# Allegro board meta_module_lay_rev1.brd (continued)
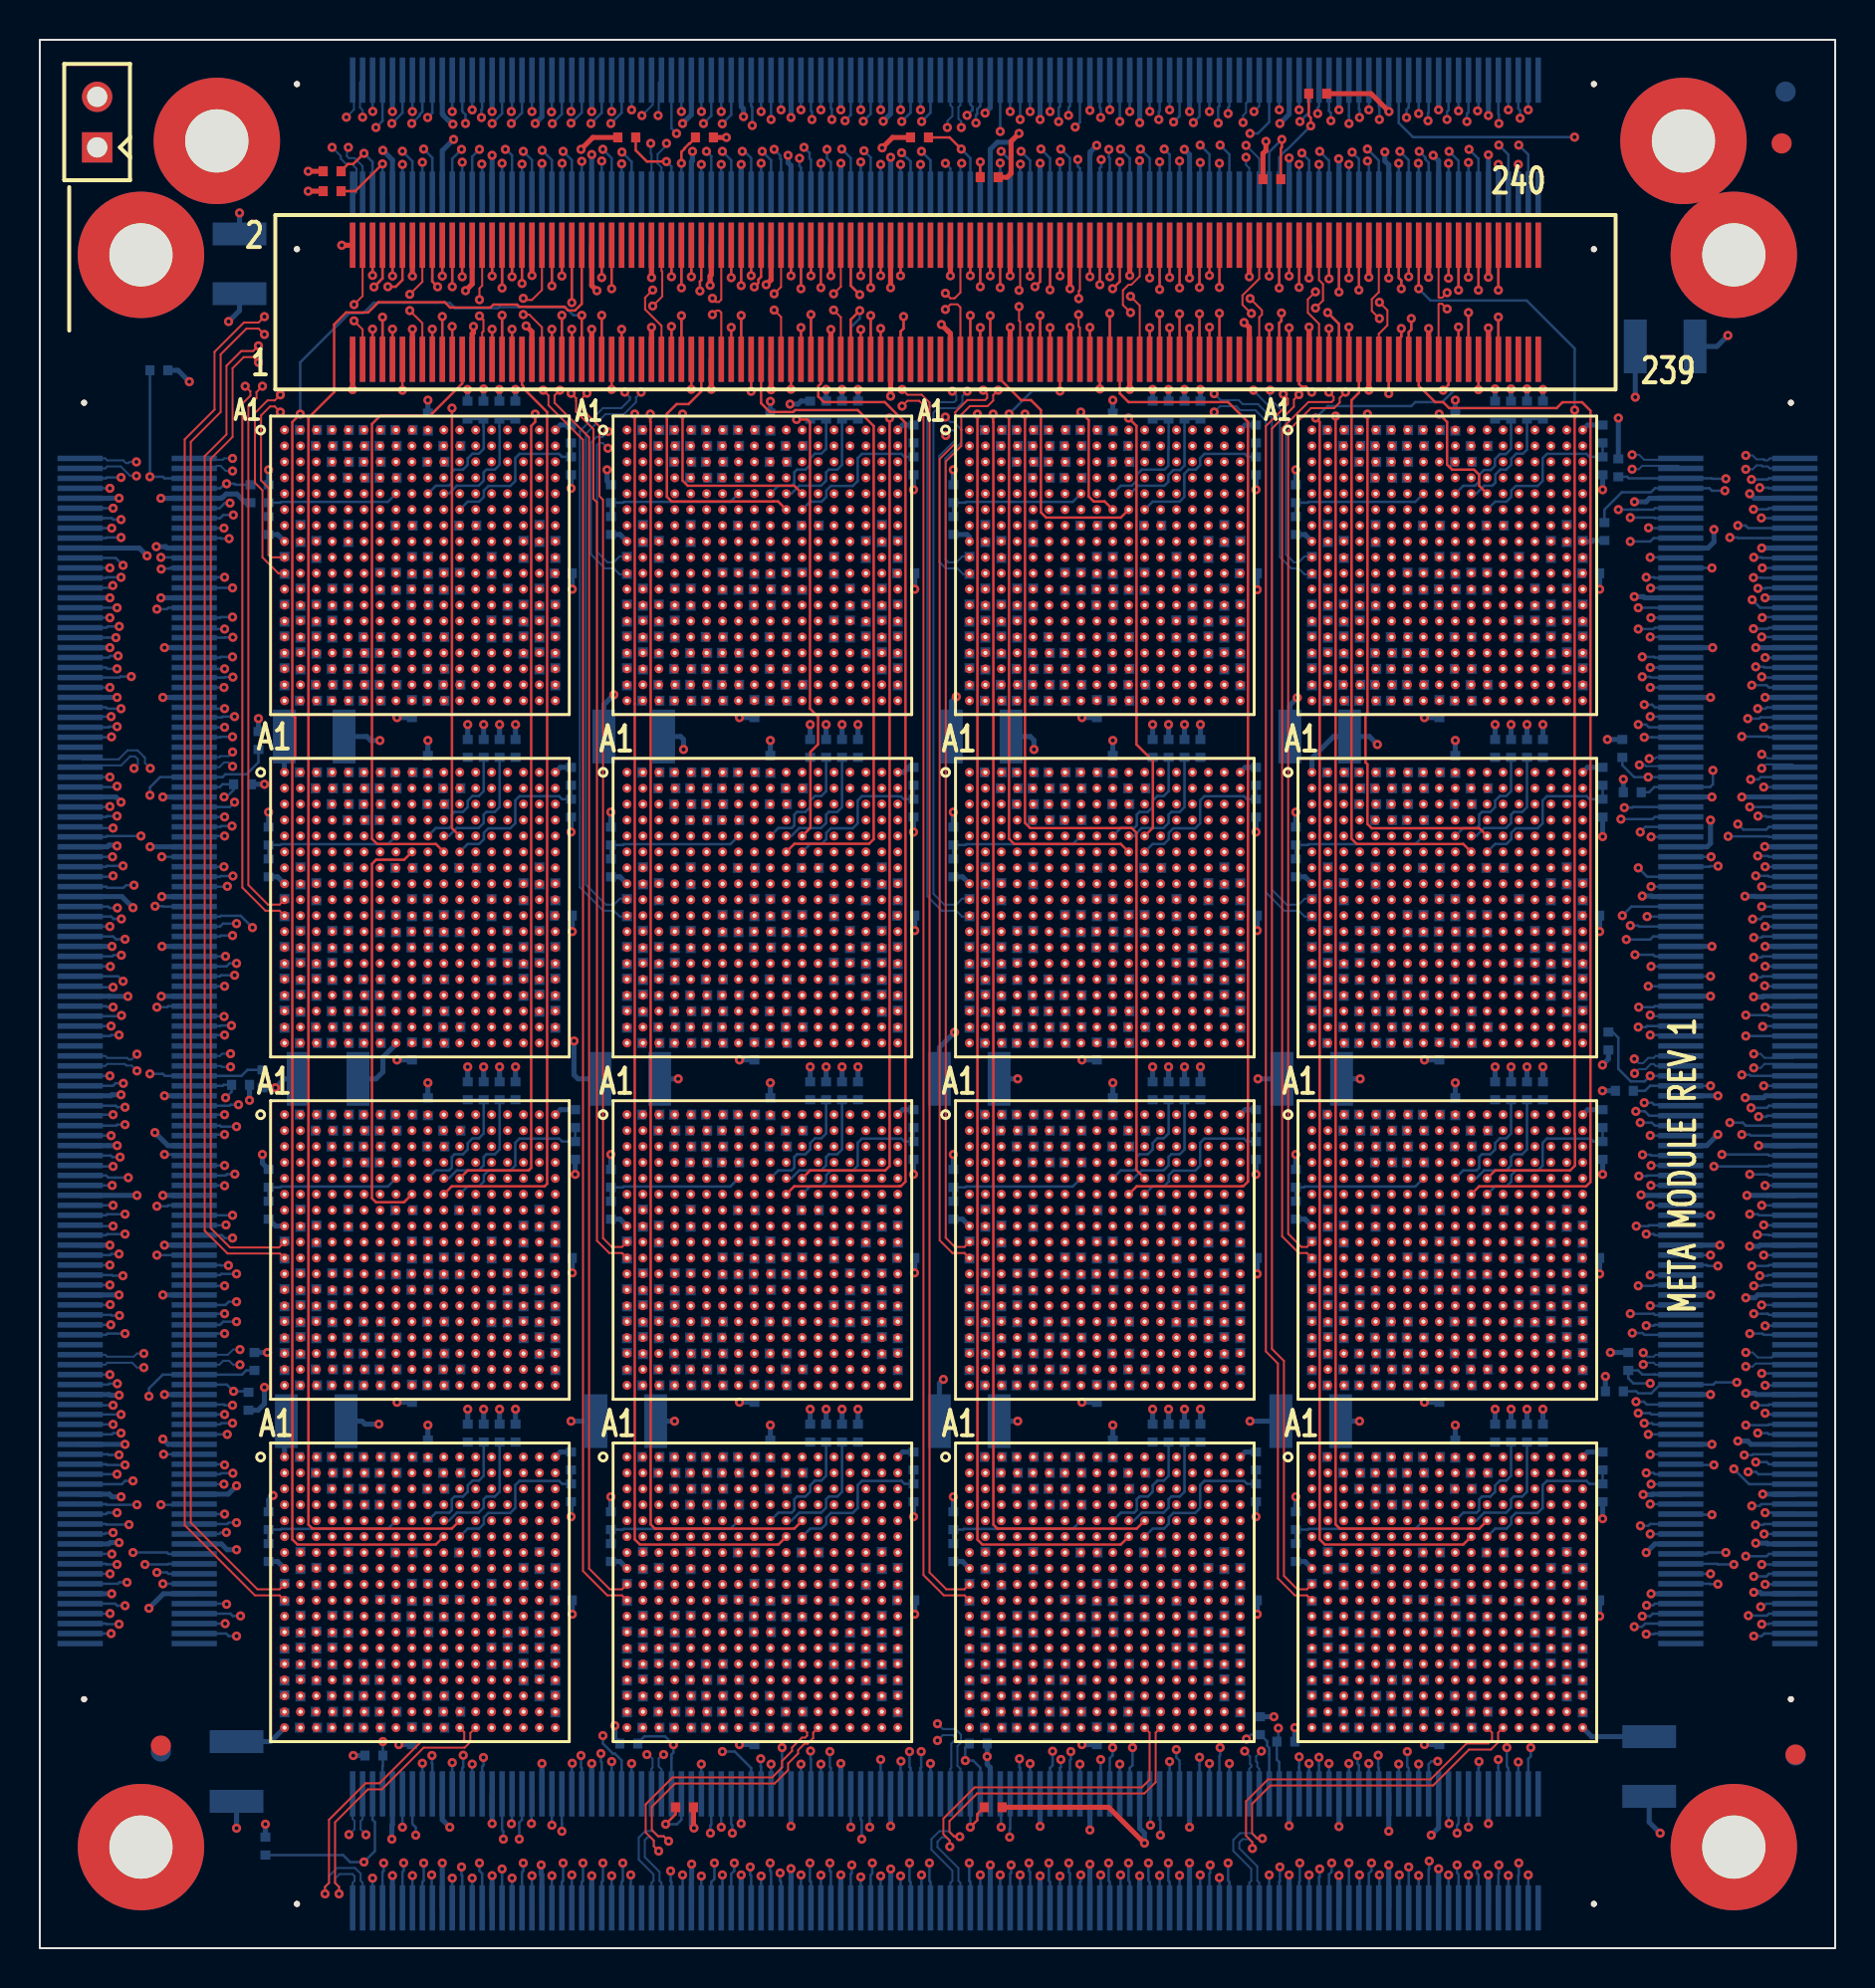
[diagram p0: board, top side]
## Placement (name value [footprint] x y rotation side) (continued)
R722  100.0  [0402]  68.29 28.28 0 bottom
R723  100.0  [0402]  65.09 28.28 0 bottom
R724  100.0  [0402]  68.29 29.88 0 bottom
R725  100.0  [0402]  65.89 29.08 0 bottom
R726  100.0  [0402]  69.08 30.68 0 bottom
R727  100.0  [0402]  67.48 30.68 0 bottom
R728  100.0  [0402]  69.09 29.08 0 bottom
R729  100.0  [0402]  66.69 28.28 0 bottom
R730  100.0  [0402]  72.29 29.08 0 bottom
R731  100.0  [0402]  67.49 29.08 0 bottom
R732  100.0  [0402]  71.49 29.88 0 bottom
R733  100.0  [0402]  63.89 35.08 270 bottom
R734  10K  [0402]  73.09 43.08 90 bottom
R735  10K  [0402]  74.69 43.08 90 bottom
R736  10K  [0402]  63.08 38.68 90 bottom
R737  10K  [0402]  78.49 40.08 270 bottom
R738  10K  [0402]  73.89 43.08 270 bottom
R739  10K  [0402]  75.49 43.08 270 bottom
R740  10K  [0402]  63.08 37.08 90 bottom
R741  10K  [0402]  78.49 41.68 270 bottom
R742  100.0  [0402]  65.09 24.68 180 bottom
R743  100.0  [0402]  68.29 23.08 180 bottom
R744  100.0  [0402]  65.89 23.88 180 bottom
R745  100.0  [0402]  69.09 22.28 180 bottom
R746  100.0  [0402]  66.69 23.08 180 bottom
R747  100.0  [0402]  68.29 24.68 180 bottom
R748  100.0  [0402]  67.49 22.28 180 bottom
R749  100.0  [0402]  69.09 23.88 180 bottom
R750  100.0  [0402]  66.69 24.68 180 bottom
R751  100.0  [0402]  72.29 23.88 180 bottom
R752  100.0  [0402]  67.49 23.88 180 bottom
R753  100.0  [0402]  71.49 23.08 180 bottom
R754  100.0  [0402]  77.49 12.28 90 bottom
R755  100.0  [0402]  75.89 15.48 90 bottom
R756  100.0  [0402]  76.69 13.08 90 bottom
R757  100.0  [0402]  75.09 16.28 90 bottom
R758  100.0  [0402]  75.89 13.88 90 bottom
R759  100.0  [0402]  77.49 15.48 90 bottom
R760  100.0  [0402]  75.09 14.68 90 bottom
R761  100.0  [0402]  76.69 16.28 90 bottom
R762  100.0  [0402]  77.49 13.88 90 bottom
R763  100.0  [0402]  76.69 19.48 90 bottom
R764  100.0  [0402]  76.69 14.68 90 bottom
R765  100.0  [0402]  75.89 18.68 90 bottom
R766  100.0  [0402]  63.89 12.28 270 bottom
R767  100.0  [0402]  65.49 15.48 270 bottom
R768  100.0  [0402]  64.69 13.08 270 bottom
R769  100.0  [0402]  66.29 16.28 270 bottom
R770  100.0  [0402]  65.49 13.88 270 bottom
R771  100.0  [0402]  63.89 15.48 270 bottom
R772  100.0  [0402]  66.29 14.68 270 bottom
R773  100.0  [0402]  64.69 16.28 270 bottom
R774  100.0  [0402]  63.89 13.88 270 bottom
R775  100.0  [0402]  64.69 19.48 270 bottom
R776  100.0  [0402]  64.69 14.68 270 bottom
R777  100.0  [0402]  65.49 18.68 270 bottom
R778  100.0  [0402]  66.69 12.68 0 bottom
R779  100.0  [0402]  68.29 11.08 0 bottom
R780  100.0  [0402]  65.09 11.08 0 bottom
R781  100.0  [0402]  68.29 12.68 0 bottom
R782  100.0  [0402]  65.89 11.88 0 bottom
R783  100.0  [0402]  69.09 13.48 0 bottom
R784  100.0  [0402]  67.49 13.48 0 bottom
R785  100.0  [0402]  69.09 11.88 0 bottom
R786  100.0  [0402]  66.69 11.08 0 bottom
R787  100.0  [0402]  72.29 11.88 0 bottom
R788  100.0  [0402]  67.49 11.88 0 bottom
R789  100.0  [0402]  71.49 12.68 0 bottom
R790  100.0  [0402]  63.89 17.88 270 bottom
R791  10K  [0402]  73.09 25.88 90 bottom
R792  10K  [0402]  74.69 25.88 90 bottom
R793  10K  [0402]  63.08 21.48 90 bottom
R794  10K  [0402]  78.49 22.88 270 bottom
R795  10K  [0402]  73.89 25.88 270 bottom
R796  10K  [0402]  75.49 25.88 270 bottom
R797  10K  [0402]  63.08 19.88 90 bottom
R798  10K  [0402]  78.49 24.48 270 bottom
R799  100.0  [0402]  47.89 41.88 180 bottom
R800  100.0  [0402]  51.09 40.28 180 bottom
R801  100.0  [0402]  48.69 41.08 180 bottom
R802  100.0  [0402]  51.89 39.48 180 bottom
R803  100.0  [0402]  49.49 40.28 180 bottom
R804  100.0  [0402]  51.09 41.88 180 bottom
R805  100.0  [0402]  50.29 39.48 180 bottom
R806  100.0  [0402]  51.89 41.08 180 bottom
R807  100.0  [0402]  49.49 41.88 180 bottom
R808  100.0  [0402]  55.09 41.08 180 bottom
R809  100.0  [0402]  50.29 41.08 180 bottom
R810  100.0  [0402]  54.29 40.28 180 bottom
R811  100.0  [0402]  60.29 29.48 90 bottom
R812  100.0  [0402]  58.69 32.68 90 bottom
R813  100.0  [0402]  59.49 30.28 90 bottom
R814  100.0  [0402]  57.89 33.48 90 bottom
R815  100.0  [0402]  58.69 31.08 90 bottom
R816  100.0  [0402]  60.29 32.68 90 bottom
R817  100.0  [0402]  57.89 31.88 90 bottom
R818  100.0  [0402]  59.49 33.48 90 bottom
R819  100.0  [0402]  60.29 31.08 90 bottom
R820  100.0  [0402]  59.49 36.68 90 bottom
R821  100.0  [0402]  59.49 31.88 90 bottom
R822  100.0  [0402]  58.69 35.88 90 bottom
R823  100.0  [0402]  46.69 29.48 270 bottom
R824  100.0  [0402]  48.29 32.68 270 bottom
R825  100.0  [0402]  47.49 30.28 270 bottom
R826  100.0  [0402]  49.09 33.48 270 bottom
R827  100.0  [0402]  48.29 31.08 270 bottom
R828  100.0  [0402]  46.69 32.68 270 bottom
R829  100.0  [0402]  49.09 31.88 270 bottom
R830  100.0  [0402]  47.49 33.48 270 bottom
R831  100.0  [0402]  46.69 31.08 270 bottom
R832  100.0  [0402]  47.49 36.68 270 bottom
R833  100.0  [0402]  47.49 31.88 270 bottom
R834  100.0  [0402]  48.29 35.88 270 bottom
R835  100.0  [0402]  49.49 29.88 0 bottom
R836  100.0  [0402]  51.09 28.28 0 bottom
R837  100.0  [0402]  47.89 28.28 0 bottom
R838  100.0  [0402]  51.09 29.88 0 bottom
R839  100.0  [0402]  48.69 29.08 0 bottom
R840  100.0  [0402]  51.89 30.68 0 bottom
R841  100.0  [0402]  50.29 30.68 0 bottom
R842  100.0  [0402]  51.89 29.08 0 bottom
R843  100.0  [0402]  49.49 28.28 0 bottom
R844  100.0  [0402]  55.09 29.08 0 bottom
R845  100.0  [0402]  50.29 29.08 0 bottom
R846  100.0  [0402]  54.29 29.88 0 bottom
R847  100.0  [0402]  46.69 35.08 270 bottom
R848  10K  [0402]  55.89 43.08 90 bottom
R849  10K  [0402]  57.49 43.08 90 bottom
R850  10K  [0402]  45.88 38.68 90 bottom
R851  10K  [0402]  61.08 40.08 270 bottom
R852  10K  [0402]  56.69 43.08 270 bottom
R853  10K  [0402]  58.29 43.08 270 bottom
R854  10K  [0402]  45.88 37.08 90 bottom
R855  10K  [0402]  61.08 41.68 270 bottom
R856  100.0  [0402]  47.89 24.68 180 bottom
R857  100.0  [0402]  51.09 23.08 180 bottom
R858  100.0  [0402]  48.69 23.88 180 bottom
R859  100.0  [0402]  51.89 22.28 180 bottom
R860  100.0  [0402]  49.49 23.08 180 bottom
R861  100.0  [0402]  51.09 24.68 180 bottom
R862  100.0  [0402]  50.29 22.28 180 bottom
R863  100.0  [0402]  51.89 23.88 180 bottom
R864  100.0  [0402]  49.49 24.68 180 bottom
R865  100.0  [0402]  55.09 23.88 180 bottom
R866  100.0  [0402]  50.29 23.88 180 bottom
R867  100.0  [0402]  54.29 23.08 180 bottom
R868  100.0  [0402]  60.29 12.28 90 bottom
R869  100.0  [0402]  58.69 15.48 90 bottom
R870  100.0  [0402]  59.49 13.08 90 bottom
R871  100.0  [0402]  57.89 16.28 90 bottom
R872  100.0  [0402]  58.69 13.88 90 bottom
R873  100.0  [0402]  60.29 15.48 90 bottom
R874  100.0  [0402]  57.89 14.68 90 bottom
R875  100.0  [0402]  59.49 16.28 90 bottom
R876  100.0  [0402]  60.29 13.88 90 bottom
R877  100.0  [0402]  59.49 19.48 90 bottom
R878  100.0  [0402]  59.49 14.68 90 bottom
R879  100.0  [0402]  58.69 18.68 90 bottom
R880  100.0  [0402]  46.69 12.28 270 bottom
R881  100.0  [0402]  48.29 15.48 270 bottom
R882  100.0  [0402]  47.49 13.08 270 bottom
R883  100.0  [0402]  49.09 16.28 270 bottom
R884  100.0  [0402]  48.29 13.88 270 bottom
R885  100.0  [0402]  46.69 15.48 270 bottom
R886  100.0  [0402]  49.09 14.68 270 bottom
R887  100.0  [0402]  47.49 16.28 270 bottom
R888  100.0  [0402]  46.69 13.88 270 bottom
R889  100.0  [0402]  47.49 19.48 270 bottom
R890  100.0  [0402]  47.49 14.68 270 bottom
R891  100.0  [0402]  48.29 18.68 270 bottom
R892  100.0  [0402]  49.49 12.68 0 bottom
R893  100.0  [0402]  51.09 11.08 0 bottom
R894  100.0  [0402]  47.89 11.08 0 bottom
R895  100.0  [0402]  51.09 12.68 0 bottom
R896  100.0  [0402]  48.69 11.88 0 bottom
R897  100.0  [0402]  51.89 13.48 0 bottom
R898  100.0  [0402]  50.29 13.48 0 bottom
R899  100.0  [0402]  51.89 11.88 0 bottom
R900  100.0  [0402]  49.49 11.08 0 bottom
R901  100.0  [0402]  55.09 11.88 0 bottom
R902  100.0  [0402]  50.29 11.88 0 bottom
R903  100.0  [0402]  54.29 12.68 0 bottom
R904  100.0  [0402]  46.69 17.88 270 bottom
R905  10K  [0402]  55.89 25.88 90 bottom
R906  10K  [0402]  57.49 25.88 90 bottom
R907  10K  [0402]  45.88 21.48 90 bottom
R908  10K  [0402]  61.08 22.88 270 bottom
R909  10K  [0402]  56.69 25.88 270 bottom
R910  10K  [0402]  58.29 25.88 270 bottom
R911  10K  [0402]  45.88 19.88 90 bottom
R912  10K  [0402]  61.08 24.48 270 bottom
R913  10K  [0402]  19.89 62.68 180 bottom
R914  10K  [0402]  18.69 62.28 90 bottom
R915  10K  [0402]  37.09 62.68 180 bottom
R916  10K  [0402]  35.89 62.28 90 bottom
R917  10K  [0402]  19.89 45.48 180 bottom
R918  10K  [0402]  18.69 45.08 90 bottom
R919  10K  [0402]  37.09 45.48 180 bottom
R920  10K  [0402]  35.89 45.08 90 bottom
R921  10K  [0402]  54.29 62.68 180 bottom
R922  10K  [0402]  53.09 62.28 90 bottom
R923  10K  [0402]  71.49 62.68 180 bottom
R924  10K  [0402]  70.29 62.28 90 bottom
R925  10K  [0402]  54.29 45.48 180 bottom
R926  10K  [0402]  53.09 45.08 90 bottom
R927  10K  [0402]  71.49 45.48 180 bottom
R928  10K  [0402]  70.29 45.08 90 bottom
R929  10K  [0402]  19.89 28.28 180 bottom
R930  10K  [0402]  18.69 27.88 90 bottom
R931  10K  [0402]  37.09 28.28 180 bottom
R932  10K  [0402]  35.89 27.88 90 bottom
R933  10K  [0402]  19.89 11.08 180 bottom
R934  10K  [0402]  18.69 10.68 90 bottom
R935  10K  [0402]  37.09 11.08 180 bottom
R936  10K  [0402]  35.89 10.68 90 bottom
R937  10K  [0402]  54.29 28.28 180 bottom
R938  10K  [0402]  53.09 27.88 90 bottom
R939  10K  [0402]  71.49 28.28 180 bottom
R940  10K  [0402]  70.29 27.88 90 bottom
R941  10K  [0402]  54.29 11.08 180 bottom
R942  10K  [0402]  53.09 10.68 90 bottom
R943  10K  [0402]  71.49 11.08 180 bottom
R944  10K  [0402]  70.29 10.68 90 bottom
R945  10K  [0402]  18.29 76.28 0 bottom
R946  10K  [0402]  19.49 76.68 270 bottom
R947  10K  [0402]  26.29 69.08 0 bottom
R948  10K  [0402]  25.89 70.28 90 bottom
R949  10K  [0402]  35.49 76.28 0 bottom
R950  10K  [0402]  36.69 76.68 270 bottom
R951  10K  [0402]  43.49 69.08 0 bottom
R952  10K  [0402]  43.09 70.28 90 bottom
R953  10K  [0402]  18.29 59.08 0 bottom
R954  10K  [0402]  19.49 59.48 270 bottom
R955  10K  [0402]  26.29 51.88 0 bottom
R956  10K  [0402]  25.89 53.08 90 bottom
R957  10K  [0402]  35.49 59.08 0 bottom
R958  10K  [0402]  36.69 59.48 270 bottom
R959  10K  [0402]  43.49 51.88 0 bottom
R960  10K  [0402]  43.09 53.08 90 bottom
R961  10K  [0402]  52.69 76.28 0 bottom
R962  10K  [0402]  53.89 76.68 270 bottom
R963  10K  [0402]  60.69 69.08 0 bottom
R964  10K  [0402]  60.29 70.28 90 bottom
R965  10K  [0402]  69.89 76.28 0 bottom
R966  10K  [0402]  71.09 76.68 270 bottom
R967  10K  [0402]  77.89 69.08 0 bottom
R968  10K  [0402]  77.49 70.28 90 bottom
R969  10K  [0402]  52.69 59.08 0 bottom
R970  10K  [0402]  53.89 59.48 270 bottom
R971  10K  [0402]  60.69 51.88 0 bottom
R972  10K  [0402]  60.29 53.08 90 bottom
R973  10K  [0402]  69.89 59.08 0 bottom
R974  10K  [0402]  71.09 59.48 270 bottom
R975  10K  [0402]  77.89 51.88 0 bottom
R976  10K  [0402]  77.49 53.08 90 bottom
R977  10K  [0402]  18.29 41.88 0 bottom
R978  10K  [0402]  19.49 42.28 270 bottom
R979  10K  [0402]  26.29 34.68 0 bottom
R980  10K  [0402]  25.89 35.88 90 bottom
R981  10K  [0402]  35.49 41.88 0 bottom
R982  10K  [0402]  36.69 42.28 270 bottom
R983  10K  [0402]  43.49 34.68 0 bottom
R984  10K  [0402]  43.09 35.88 90 bottom
R985  10K  [0402]  18.29 24.68 0 bottom
R986  10K  [0402]  19.49 25.08 270 bottom
R987  10K  [0402]  26.29 17.48 0 bottom
R988  10K  [0402]  25.89 18.68 90 bottom
R989  10K  [0402]  35.49 24.68 0 bottom
R990  10K  [0402]  36.69 25.08 270 bottom
R991  10K  [0402]  43.49 17.48 0 bottom
R992  10K  [0402]  43.09 18.68 90 bottom
R993  10K  [0402]  52.69 41.88 0 bottom
R994  10K  [0402]  53.89 42.28 270 bottom
R995  10K  [0402]  60.69 34.68 0 bottom
R996  10K  [0402]  60.29 35.88 90 bottom
R997  10K  [0402]  69.89 41.88 0 bottom
R998  10K  [0402]  71.09 42.28 270 bottom
R999  10K  [0402]  77.89 34.68 0 bottom
R1000  10K  [0402]  77.49 35.88 90 bottom
R1001  10K  [0402]  52.69 24.68 0 bottom
R1002  10K  [0402]  53.89 25.08 270 bottom
R1003  10K  [0402]  60.69 17.48 0 bottom
R1004  10K  [0402]  60.29 18.68 90 bottom
R1005  10K  [0402]  69.89 24.68 0 bottom
R1006  10K  [0402]  71.09 25.08 270 bottom
R1007  10K  [0402]  77.89 17.48 0 bottom
R1008  10K  [0402]  77.49 18.68 90 bottom
R1009  10K  [0402]  11.33 5.13 90 bottom
R1010  10K  [0402]  29.58 10.28 180 bottom
R1011  10K  [0402]  47.88 7.08 0 top
R1012  10K  [0402]  61.28 11.18 90 bottom
R1013  10K  [0402]  16.78 9.68 0 bottom
R1014  10K  [0402]  32.38 7.08 180 top
R1015  10K  [0402]  47.13 10.28 180 bottom
R1016  10K  [0402]  62.58 10.38 180 bottom
R1017  10K  [0402]  5.98 79.28 0 bottom
R1018  10K  [0402]  10.98 60.68 90 bottom
R1019  10K  [0402]  11.18 43.68 270 bottom
R1020  10K  [0402]  10.78 29.48 90 bottom
R1021  10K  [0402]  10.58 73.08 90 bottom
R1022  10K  [0402]  10.18 58.48 180 bottom
R1023  10K  [0402]  10.08 43.38 180 bottom
R1024  10K  [0402]  10.48 27.48 90 bottom
R1025  10K  [0402]  79.28 74.38 90 bottom
R1026  10K  [0402]  79.48 60.28 90 bottom
R1027  10K  [0402]  78.78 45.58 270 bottom
R1028  10K  [0402]  79.78 29.48 90 bottom
R1029  10K  [0402]  78.58 71.18 90 bottom
R1030  10K  [0402]  79.98 58.08 0 bottom
R1031  10K  [0402]  79.58 43.08 0 bottom
R1032  10K  [0402]  79.08 27.98 0 bottom
R1033  10K  [0402]  14.68 89.28 180 top
R1034  10K  [0402]  29.48 90.98 180 top
R1035  10K  [0402]  44.18 90.98 180 top
R1036  10K  [0402]  61.88 88.88 180 top
R1037  10K  [0402]  14.68 88.28 0 top
R1038  10K  [0402]  33.38 90.98 180 top
R1039  10K  [0402]  47.68 88.98 180 top
R1040  10K  [0402]  64.18 93.18 180 top
U1  E16G301  [324P-0P80MM-BGA_1P50]  36.29 69.48 0 top
U2  E16G301  [324P-0P80MM-BGA_1P50]  36.29 52.28 0 top
U3  E16G301  [324P-0P80MM-BGA_1P50]  19.09 69.48 0 top
U4  E16G301  [324P-0P80MM-BGA_1P50]  19.09 52.28 0 top
U5  E16G301  [324P-0P80MM-BGA_1P50]  70.69 69.48 0 top
U6  E16G301  [324P-0P80MM-BGA_1P50]  70.69 52.28 0 top
U7  E16G301  [324P-0P80MM-BGA_1P50]  53.49 69.48 0 top
U8  E16G301  [324P-0P80MM-BGA_1P50]  53.49 52.28 0 top
U9  E16G301  [324P-0P80MM-BGA_1P50]  36.29 35.08 0 top
U10  E16G301  [324P-0P80MM-BGA_1P50]  36.29 17.88 0 top
U11  E16G301  [324P-0P80MM-BGA_1P50]  19.09 35.08 0 top
U12  E16G301  [324P-0P80MM-BGA_1P50]  19.09 17.88 0 top
U13  E16G301  [324P-0P80MM-BGA_1P50]  70.69 35.08 0 top
U14  E16G301  [324P-0P80MM-BGA_1P50]  70.69 17.88 0 top
U15  E16G301  [324P-0P80MM-BGA_1P50]  53.49 35.08 0 top
U16  E16G301  [324P-0P80MM-BGA_1P50]  53.49 17.88 0 top

## Library data of the parts
C1-C272 = CAP NP
J1 J3 J5 J6 J16 J18 = BSH120_0
J15 = HDR_1X2_TH_VER: User Part Number: *; Tolerance: *
R1-R1040 = RESISTOR/SM
U1-U16 = E16G301_6

## Footprints (pads in the part's own frame, mm; a bottom-side part is the same pattern mirrored in y, then rotated)
324P-0P80MM-BGA_1P50
  round 0.45 hole 0.203: A1(-6.8,6.8) A2(-6,6.8) A3(-5.2,6.8) A4(-4.4,6.8) A5(-3.6,6.8) A6(-2.8,6.8) A7(-2,6.8) A8(-1.2,6.8) A9(-0.4,6.8) A10(0.4,6.8) A11(1.2,6.8) A12(2,6.8) A13(2.8,6.8) A14(3.6,6.8) A15(4.4,6.8) A16(5.2,6.8) A17(6,6.8) A18(6.8,6.8) B1(-6.8,6) B2(-6,6) B3(-5.2,6) B4(-4.4,6) B5(-3.6,6) B6(-2.8,6) B7(-2,6) B8(-1.2,6) B9(-0.4,6) B10(0.4,6) B11(1.2,6) B12(2,6) B13(2.8,6) B14(3.6,6) B15(4.4,6) B16(5.2,6) B17(6,6) B18(6.8,6) C1(-6.8,5.2) C2(-6,5.2) C3(-5.2,5.2) C4(-4.4,5.2) C5(-3.6,5.2) C6(-2.8,5.2) C7(-2,5.2) C8(-1.2,5.2) C9(-0.4,5.2) C10(0.4,5.2) C11(1.2,5.2) C12(2,5.2) C13(2.8,5.2) C14(3.6,5.2) C15(4.4,5.2) C16(5.2,5.2) C17(6,5.2) C18(6.8,5.2) D1(-6.8,4.4) D2(-6,4.4) D3(-5.2,4.4) D4(-4.4,4.4) D5(-3.6,4.4) D6(-2.8,4.4) D7(-2,4.4) D8(-1.2,4.4) D9(-0.4,4.4) D10(0.4,4.4) D11(1.2,4.4) D12(2,4.4) D13(2.8,4.4) D14(3.6,4.4) D15(4.4,4.4) D16(5.2,4.4) D17(6,4.4) D18(6.8,4.4) E1(-6.8,3.6) E2(-6,3.6) E3(-5.2,3.6) E4(-4.4,3.6) E5(-3.6,3.6) E6(-2.8,3.6) E7(-2,3.6) E8(-1.2,3.6) E9(-0.4,3.6) E10(0.4,3.6) E11(1.2,3.6) E12(2,3.6) E13(2.8,3.6) E14(3.6,3.6) E15(4.4,3.6) E16(5.2,3.6) E17(6,3.6) E18(6.8,3.6) F1(-6.8,2.8) F2(-6,2.8) F3(-5.2,2.8) F4(-4.4,2.8) F5(-3.6,2.8) F6(-2.8,2.8) F7(-2,2.8) F8(-1.2,2.8) F9(-0.4,2.8) F10(0.4,2.8) F11(1.2,2.8) F12(2,2.8) F13(2.8,2.8) F14(3.6,2.8) F15(4.4,2.8) F16(5.2,2.8) F17(6,2.8) F18(6.8,2.8) G1(-6.8,2) G2(-6,2) G3(-5.2,2) G4(-4.4,2) G5(-3.6,2) G6(-2.8,2) G7(-2,2) G8(-1.2,2) G9(-0.4,2) G10(0.4,2) G11(1.2,2) G12(2,2) G13(2.8,2) G14(3.6,2) G15(4.4,2) G16(5.2,2) G17(6,2) G18(6.8,2) H1(-6.8,1.2) H2(-6,1.2) H3(-5.2,1.2) H4(-4.4,1.2) H5(-3.6,1.2) H6(-2.8,1.2) H7(-2,1.2) H8(-1.2,1.2) H9(-0.4,1.2) H10(0.4,1.2) H11(1.2,1.2) H12(2,1.2) H13(2.8,1.2) H14(3.6,1.2) H15(4.4,1.2) H16(5.2,1.2) H17(6,1.2) H18(6.8,1.2) J1(-6.8,0.4) J2(-6,0.4) J3(-5.2,0.4) J4(-4.4,0.4) J5(-3.6,0.4) J6(-2.8,0.4) J7(-2,0.4) J8(-1.2,0.4) J9(-0.4,0.4) J10(0.4,0.4) J11(1.2,0.4) J12(2,0.4) J13(2.8,0.4) J14(3.6,0.4) J15(4.4,0.4) J16(5.2,0.4) J17(6,0.4) J18(6.8,0.4) K1(-6.8,-0.4) K2(-6,-0.4) K3(-5.2,-0.4) K4(-4.4,-0.4) K5(-3.6,-0.4) K6(-2.8,-0.4) K7(-2,-0.4) K8(-1.2,-0.4) K9(-0.4,-0.4) K10(0.4,-0.4) K11(1.2,-0.4) K12(2,-0.4) K13(2.8,-0.4) K14(3.6,-0.4) K15(4.4,-0.4) K16(5.2,-0.4) K17(6,-0.4) K18(6.8,-0.4) L1(-6.8,-1.2) L2(-6,-1.2) L3(-5.2,-1.2) L4(-4.4,-1.2) L5(-3.6,-1.2) L6(-2.8,-1.2) L7(-2,-1.2) L8(-1.2,-1.2) L9(-0.4,-1.2) L10(0.4,-1.2) L11(1.2,-1.2) L12(2,-1.2) L13(2.8,-1.2) L14(3.6,-1.2) L15(4.4,-1.2) L16(5.2,-1.2) L17(6,-1.2) L18(6.8,-1.2) M1(-6.8,-2) M2(-6,-2) M3(-5.2,-2) M4(-4.4,-2) M5(-3.6,-2) M6(-2.8,-2) M7(-2,-2) M8(-1.2,-2) M9(-0.4,-2) M10(0.4,-2) M11(1.2,-2) M12(2,-2) M13(2.8,-2) M14(3.6,-2) M15(4.4,-2) M16(5.2,-2) M17(6,-2) M18(6.8,-2) N1(-6.8,-2.8) N2(-6,-2.8) N3(-5.2,-2.8) N4(-4.4,-2.8) N5(-3.6,-2.8) N6(-2.8,-2.8) N7(-2,-2.8) N8(-1.2,-2.8) N9(-0.4,-2.8) N10(0.4,-2.8) N11(1.2,-2.8) N12(2,-2.8) N13(2.8,-2.8) N14(3.6,-2.8) N15(4.4,-2.8) N16(5.2,-2.8) N17(6,-2.8) N18(6.8,-2.8) P1(-6.8,-3.6) P2(-6,-3.6) P3(-5.2,-3.6) P4(-4.4,-3.6) P5(-3.6,-3.6) P6(-2.8,-3.6) P7(-2,-3.6) P8(-1.2,-3.6) P9(-0.4,-3.6) P10(0.4,-3.6) P11(1.2,-3.6) P12(2,-3.6) P13(2.8,-3.6) P14(3.6,-3.6) P15(4.4,-3.6) P16(5.2,-3.6) P17(6,-3.6) P18(6.8,-3.6) R1(-6.8,-4.4) R2(-6,-4.4) R3(-5.2,-4.4) R4(-4.4,-4.4) R5(-3.6,-4.4) R6(-2.8,-4.4) R7(-2,-4.4) R8(-1.2,-4.4) R9(-0.4,-4.4) R10(0.4,-4.4) R11(1.2,-4.4) R12(2,-4.4) R13(2.8,-4.4) R14(3.6,-4.4) R15(4.4,-4.4) R16(5.2,-4.4) R17(6,-4.4) R18(6.8,-4.4) T1(-6.8,-5.2) T2(-6,-5.2) T3(-5.2,-5.2) T4(-4.4,-5.2) T5(-3.6,-5.2) T6(-2.8,-5.2) T7(-2,-5.2) T8(-1.2,-5.2) T9(-0.4,-5.2) T10(0.4,-5.2) T11(1.2,-5.2) T12(2,-5.2) T13(2.8,-5.2) T14(3.6,-5.2) T15(4.4,-5.2) T16(5.2,-5.2) T17(6,-5.2) T18(6.8,-5.2) U1(-6.8,-6) U2(-6,-6) U3(-5.2,-6) U4(-4.4,-6) U5(-3.6,-6) U6(-2.8,-6) U7(-2,-6) U8(-1.2,-6) U9(-0.4,-6) U10(0.4,-6) U11(1.2,-6) U12(2,-6) U13(2.8,-6) U14(3.6,-6) U15(4.4,-6) U16(5.2,-6) U17(6,-6) U18(6.8,-6) V1(-6.8,-6.8) V2(-6,-6.8) V3(-5.2,-6.8) V4(-4.4,-6.8) V5(-3.6,-6.8) V6(-2.8,-6.8) V7(-2,-6.8) V8(-1.2,-6.8) V9(-0.4,-6.8) V10(0.4,-6.8) V11(1.2,-6.8) V12(2,-6.8) V13(2.8,-6.8) V14(3.6,-6.8) V15(4.4,-6.8) V16(5.2,-6.8) V17(6,-6.8) V18(6.8,-6.8)
0402
  rect 0.46x0.5 smd: 1(-0.45,0) 2(0.45,0)
CAPC3225X280N
  rect 1.15x2.7 smd: 1(-1.5,0) 2(1.5,0)
HDR_1X2_TH_VER
  rect 1.524x1.524 hole 1.016: 1(0,0)
  round 1.524 hole 1.016: 2(2.54,0)
SAMTEC_BSH-120-XX-X-D-A
  round 0.305 hole 1.016 unplated: (-32.57,2.666) (32.57,2.666)
  rect 0.279x2.273 smd: 1(-29.773,-2.864) 2(-29.773,2.864) 3(-29.272,-2.864) 4(-29.272,2.864) 5(-28.772,-2.864) 6(-28.772,2.864) 7(-28.272,-2.864) 8(-28.272,2.864) 9(-27.771,-2.864) 10(-27.771,2.864) 11(-27.271,-2.864) 12(-27.271,2.864) 13(-26.77,-2.864) 14(-26.77,2.864) 15(-26.27,-2.864) 16(-26.27,2.864) 17(-25.77,-2.864) 18(-25.77,2.864) 19(-25.269,-2.864) 20(-25.269,2.864) 21(-24.769,-2.864) 22(-24.769,2.864) 23(-24.268,-2.864) 24(-24.268,2.864) 25(-23.768,-2.864) 26(-23.768,2.864) 27(-23.268,-2.864) 28(-23.268,2.864) 29(-22.767,-2.864) 30(-22.767,2.864) 31(-22.267,-2.864) 32(-22.267,2.864) 33(-21.766,-2.864) 34(-21.766,2.864) 35(-21.266,-2.864) 36(-21.266,2.864) 37(-20.766,-2.864) 38(-20.766,2.864) 39(-20.265,-2.864) 40(-20.265,2.864) 41(-19.765,-2.864) 42(-19.765,2.864) 43(-19.265,-2.864) 44(-19.265,2.864) 45(-18.764,-2.864) 46(-18.764,2.864) 47(-18.264,-2.864) 48(-18.264,2.864) 49(-17.764,-2.864) 50(-17.764,2.864) 51(-17.263,-2.864) 52(-17.263,2.864) 53(-16.763,-2.864) 54(-16.763,2.864) 55(-16.262,-2.864) 56(-16.262,2.864) 57(-15.762,-2.864) 58(-15.762,2.864) 59(-15.262,-2.864) 60(-15.262,2.864) 61(-14.761,-2.864) 62(-14.761,2.864) 63(-14.261,-2.864) 64(-14.261,2.864) 65(-13.76,-2.864) 66(-13.76,2.864) 67(-13.26,-2.864) 68(-13.26,2.864) 69(-12.76,-2.864) 70(-12.76,2.864) 71(-12.259,-2.864) 72(-12.259,2.864) 73(-11.759,-2.864) 74(-11.759,2.864) 75(-11.259,-2.864) 76(-11.259,2.864) 77(-10.758,-2.864) 78(-10.758,2.864) 79(-10.258,-2.864) 80(-10.258,2.864) 81(-9.757,-2.864) 82(-9.757,2.864) 83(-9.257,-2.864) 84(-9.257,2.864) 85(-8.757,-2.864) 86(-8.757,2.864) 87(-8.256,-2.864) 88(-8.256,2.864) 89(-7.756,-2.864) 90(-7.756,2.864) 91(-7.256,-2.864) 92(-7.256,2.864) 93(-6.755,-2.864) 94(-6.755,2.864) 95(-6.255,-2.864) 96(-6.255,2.864) 97(-5.754,-2.864) 98(-5.754,2.864) 99(-5.254,-2.864) 100(-5.254,2.864) 101(-4.754,-2.864) 102(-4.754,2.864) 103(-4.253,-2.864) 104(-4.253,2.864) 105(-3.753,-2.864) 106(-3.753,2.864) 107(-3.252,-2.864) 108(-3.252,2.864) 109(-2.752,-2.864) 110(-2.752,2.864) 111(-2.252,-2.864) 112(-2.252,2.864) 113(-1.751,-2.864) 114(-1.751,2.864) 115(-1.251,-2.864) 116(-1.251,2.864) 117(-0.751,-2.864) 118(-0.751,2.864) 119(-0.25,-2.864) 120(-0.25,2.864) 121(0.25,-2.864) 122(0.25,2.864) 123(0.751,-2.864) 124(0.751,2.864) 125(1.251,-2.864) 126(1.251,2.864) 127(1.751,-2.864) 128(1.751,2.864) 129(2.252,-2.864) 130(2.252,2.864) 131(2.752,-2.864) 132(2.752,2.864) 133(3.252,-2.864) 134(3.252,2.864) 135(3.753,-2.864) 136(3.753,2.864) 137(4.253,-2.864) 138(4.253,2.864) 139(4.754,-2.864) 140(4.754,2.864) 141(5.254,-2.864) 142(5.254,2.864) 143(5.754,-2.864) 144(5.754,2.864) 145(6.255,-2.864) 146(6.255,2.864) 147(6.755,-2.864) 148(6.755,2.864) 149(7.256,-2.864) 150(7.256,2.864) 151(7.756,-2.864) 152(7.756,2.864) 153(8.256,-2.864) 154(8.256,2.864) 155(8.757,-2.864) 156(8.757,2.864) 157(9.257,-2.864) 158(9.257,2.864) 159(9.757,-2.864) 160(9.757,2.864) 161(10.258,-2.864) 162(10.258,2.864) 163(10.758,-2.864) 164(10.758,2.864) 165(11.259,-2.864) 166(11.259,2.864) 167(11.759,-2.864) 168(11.759,2.864) 169(12.259,-2.864) 170(12.259,2.864) 171(12.76,-2.864) 172(12.76,2.864) 173(13.26,-2.864) 174(13.26,2.864) 175(13.76,-2.864) 176(13.76,2.864) 177(14.261,-2.864) 178(14.261,2.864) 179(14.761,-2.864) 180(14.761,2.864) 181(15.262,-2.864) 182(15.262,2.864) 183(15.762,-2.864) 184(15.762,2.864) 185(16.262,-2.864) 186(16.262,2.864) 187(16.763,-2.864) 188(16.763,2.864) 189(17.263,-2.864) 190(17.263,2.864) 191(17.764,-2.864) 192(17.764,2.864) 193(18.264,-2.864) 194(18.264,2.864) 195(18.764,-2.864) 196(18.764,2.864) 197(19.265,-2.864) 198(19.265,2.864) 199(19.765,-2.864) 200(19.765,2.864) 201(20.265,-2.864) 202(20.265,2.864) 203(20.766,-2.864) 204(20.766,2.864) 205(21.266,-2.864) 206(21.266,2.864) 207(21.766,-2.864) 208(21.766,2.864) 209(22.267,-2.864) 210(22.267,2.864) 211(22.767,-2.864) 212(22.767,2.864) 213(23.268,-2.864) 214(23.268,2.864) 215(23.768,-2.864) 216(23.768,2.864) 217(24.268,-2.864) 218(24.268,2.864) 219(24.769,-2.864) 220(24.769,2.864) 221(25.269,-2.864) 222(25.269,2.864) 223(25.77,-2.864) 224(25.77,2.864) 225(26.27,-2.864) 226(26.27,2.864) 227(26.77,-2.864) 228(26.77,2.864) 229(27.271,-2.864) 230(27.271,2.864) 231(27.771,-2.864) 232(27.771,2.864) 233(28.272,-2.864) 234(28.272,2.864) 235(28.772,-2.864) 236(28.772,2.864) 237(29.272,-2.864) 238(29.272,2.864) 239(29.773,-2.864) 240(29.773,2.864)
SAMTEC_BSH-120-XX-X-D-A_NOMH
  rect 0.279x2.273 smd: 1(-29.773,-2.864) 2(-29.773,2.864) 3(-29.272,-2.864) 4(-29.272,2.864) 5(-28.772,-2.864) 6(-28.772,2.864) 7(-28.271,-2.864) 8(-28.271,2.864) 9(-27.771,-2.864) 10(-27.771,2.864) 11(-27.271,-2.864) 12(-27.271,2.864) 13(-26.77,-2.864) 14(-26.77,2.864) 15(-26.27,-2.864) 16(-26.27,2.864) 17(-25.77,-2.864) 18(-25.77,2.864) 19(-25.269,-2.864) 20(-25.269,2.864) 21(-24.769,-2.864) 22(-24.769,2.864) 23(-24.268,-2.864) 24(-24.268,2.864) 25(-23.768,-2.864) 26(-23.768,2.864) 27(-23.268,-2.864) 28(-23.268,2.864) 29(-22.767,-2.864) 30(-22.767,2.864) 31(-22.267,-2.864) 32(-22.267,2.864) 33(-21.767,-2.864) 34(-21.767,2.864) 35(-21.266,-2.864) 36(-21.266,2.864) 37(-20.766,-2.864) 38(-20.766,2.864) 39(-20.265,-2.864) 40(-20.265,2.864) 41(-19.765,-2.864) 42(-19.765,2.864) 43(-19.265,-2.864) 44(-19.265,2.864) 45(-18.764,-2.864) 46(-18.764,2.864) 47(-18.264,-2.864) 48(-18.264,2.864) 49(-17.764,-2.864) 50(-17.764,2.864) 51(-17.263,-2.864) 52(-17.263,2.864) 53(-16.763,-2.864) 54(-16.763,2.864) 55(-16.262,-2.864) 56(-16.262,2.864) 57(-15.762,-2.864) 58(-15.762,2.864) 59(-15.262,-2.864) 60(-15.262,2.864) 61(-14.761,-2.864) 62(-14.761,2.864) 63(-14.261,-2.864) 64(-14.261,2.864) 65(-13.76,-2.864) 66(-13.76,2.864) 67(-13.26,-2.864) 68(-13.26,2.864) 69(-12.76,-2.864) 70(-12.76,2.864) 71(-12.259,-2.864) 72(-12.259,2.864) 73(-11.759,-2.864) 74(-11.759,2.864) 75(-11.259,-2.864) 76(-11.259,2.864) 77(-10.758,-2.864) 78(-10.758,2.864) 79(-10.258,-2.864) 80(-10.258,2.864) 81(-9.757,-2.864) 82(-9.757,2.864) 83(-9.257,-2.864) 84(-9.257,2.864) 85(-8.757,-2.864) 86(-8.757,2.864) 87(-8.256,-2.864) 88(-8.256,2.864) 89(-7.756,-2.864) 90(-7.756,2.864) 91(-7.255,-2.864) 92(-7.255,2.864) 93(-6.755,-2.864) 94(-6.755,2.864) 95(-6.255,-2.864) 96(-6.255,2.864) 97(-5.754,-2.864) 98(-5.754,2.864) 99(-5.254,-2.864) 100(-5.254,2.864) 101(-4.754,-2.864) 102(-4.754,2.864) 103(-4.253,-2.864) 104(-4.253,2.864) 105(-3.753,-2.864) 106(-3.753,2.864) 107(-3.252,-2.864) 108(-3.252,2.864) 109(-2.752,-2.864) 110(-2.752,2.864) 111(-2.252,-2.864) 112(-2.252,2.864) 113(-1.751,-2.864) 114(-1.751,2.864) 115(-1.251,-2.864) 116(-1.251,2.864) 117(-0.751,-2.864) 118(-0.751,2.864) 119(-0.25,-2.864) 120(-0.25,2.864) 121(0.25,-2.864) 122(0.25,2.864) 123(0.751,-2.864) 124(0.751,2.864) 125(1.251,-2.864) 126(1.251,2.864) 127(1.751,-2.864) 128(1.751,2.864) 129(2.252,-2.864) 130(2.252,2.864) 131(2.752,-2.864) 132(2.752,2.864) 133(3.252,-2.864) 134(3.252,2.864) 135(3.753,-2.864) 136(3.753,2.864) 137(4.253,-2.864) 138(4.253,2.864) 139(4.754,-2.864) 140(4.754,2.864) 141(5.254,-2.864) 142(5.254,2.864) 143(5.754,-2.864) 144(5.754,2.864) 145(6.255,-2.864) 146(6.255,2.864) 147(6.755,-2.864) 148(6.755,2.864) 149(7.255,-2.864) 150(7.255,2.864) 151(7.756,-2.864) 152(7.756,2.864) 153(8.256,-2.864) 154(8.256,2.864) 155(8.757,-2.864) 156(8.757,2.864) 157(9.257,-2.864) 158(9.257,2.864) 159(9.757,-2.864) 160(9.757,2.864) 161(10.258,-2.864) 162(10.258,2.864) 163(10.758,-2.864) 164(10.758,2.864) 165(11.259,-2.864) 166(11.259,2.864) 167(11.759,-2.864) 168(11.759,2.864) 169(12.259,-2.864) 170(12.259,2.864) 171(12.76,-2.864) 172(12.76,2.864) 173(13.26,-2.864) 174(13.26,2.864) 175(13.76,-2.864) 176(13.76,2.864) 177(14.261,-2.864) 178(14.261,2.864) 179(14.761,-2.864) 180(14.761,2.864) 181(15.262,-2.864) 182(15.262,2.864) 183(15.762,-2.864) 184(15.762,2.864) 185(16.262,-2.864) 186(16.262,2.864) 187(16.763,-2.864) 188(16.763,2.864) 189(17.263,-2.864) 190(17.263,2.864) 191(17.764,-2.864) 192(17.764,2.864) 193(18.264,-2.864) 194(18.264,2.864) 195(18.764,-2.864) 196(18.764,2.864) 197(19.265,-2.864) 198(19.265,2.864) 199(19.765,-2.864) 200(19.765,2.864) 201(20.265,-2.864) 202(20.265,2.864) 203(20.766,-2.864) 204(20.766,2.864) 205(21.266,-2.864) 206(21.266,2.864) 207(21.767,-2.864) 208(21.767,2.864) 209(22.267,-2.864) 210(22.267,2.864) 211(22.767,-2.864) 212(22.767,2.864) 213(23.268,-2.864) 214(23.268,2.864) 215(23.768,-2.864) 216(23.768,2.864) 217(24.268,-2.864) 218(24.268,2.864) 219(24.769,-2.864) 220(24.769,2.864) 221(25.269,-2.864) 222(25.269,2.864) 223(25.77,-2.864) 224(25.77,2.864) 225(26.27,-2.864) 226(26.27,2.864) 227(26.77,-2.864) 228(26.77,2.864) 229(27.271,-2.864) 230(27.271,2.864) 231(27.771,-2.864) 232(27.771,2.864) 233(28.271,-2.864) 234(28.271,2.864) 235(28.772,-2.864) 236(28.772,2.864) 237(29.272,-2.864) 238(29.272,2.864) 239(29.773,-2.864) 240(29.773,2.864)
unnamed#2
  round 6.35 hole 3.175: (0,0)
unnamed#3
  round 1.016 smd: (0,0)

## Nets
